# Altium PCB ESIMA_EIS.PcbDoc (part 1 of 3) (continued)
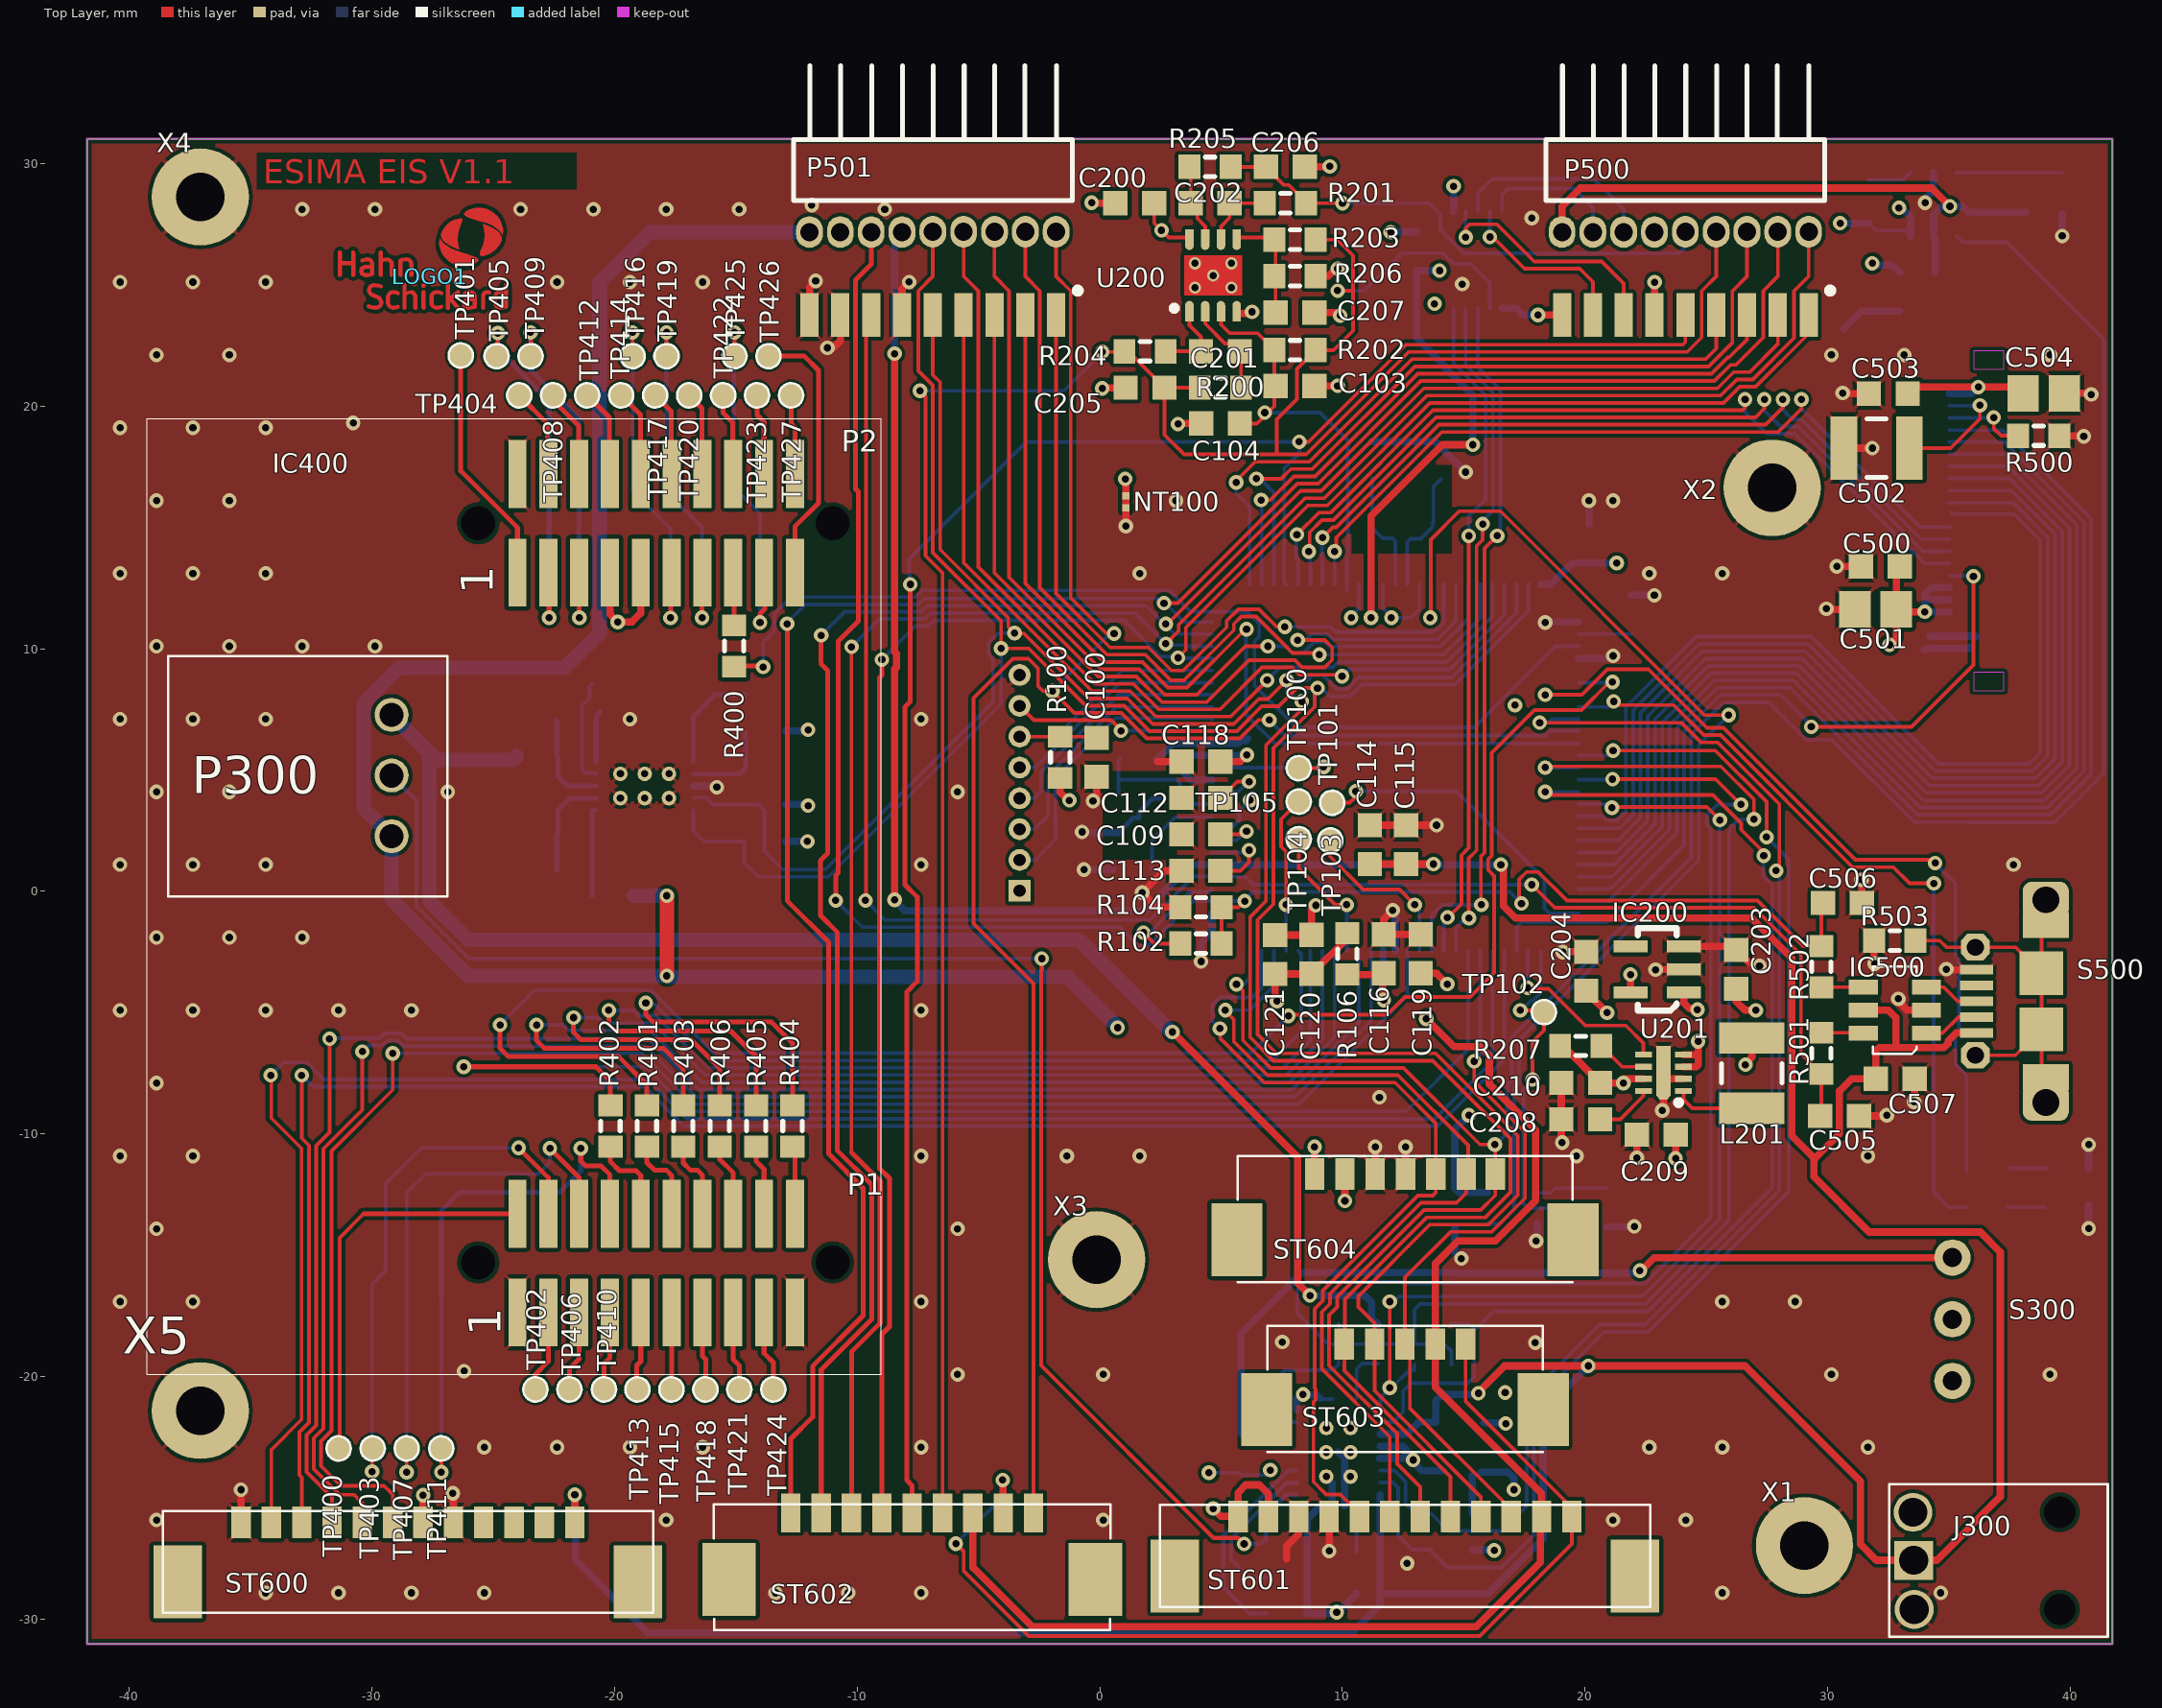
[diagram p0: Top Layer view]
## Footprints (in the part's own frame and the unit in brackets; to place one, negate y for a bottom-side part, rotate by r counter-clockwise, add the part's x,y. Pads: shape width x height; smd on the part's side, far side on the other; paste and mask are expansions set on the pad) (continued)
  Top Layer region: 2.081,0.865 2.082,0.865 2.083,0.864 2.083,0.864 2.105,0.853 2.106,0.853 2.107,0.852 2.107,0.852 2.107,0.852 2.137,0.846 2.137,0.846 2.138,0.846 2.138,0.845 2.138,0.845 2.138,0.845 2.138,0.845 2.138,0.845 2.138,0.845 2.138,0.845 2.137,0.846 2.137,0.846 2.137,0.846 2.137,0.846 2.137,0.846 2.137,0.846 2.137,0.846 2.138,0.845 2.171,0.845 2.171,0.845 2.171,0.845 2.171,0.845 2.171,0.845 2.172,0.845 2.172,0.845 2.172,0.845 2.197,0.847 2.198,0.847 2.198,0.847 2.198,0.847 2.521,0.964 2.782,1.189 2.944,1.493 2.944,1.493 2.944,1.493 2.945,1.494 2.945,1.494 2.945,1.494 2.945,1.495 2.945,1.495 2.945,1.495 2.948,1.597 2.948,1.597 2.948,1.598 2.948,1.598 2.948,1.598 2.948,1.599 2.948,1.6 2.948,1.6 2.914,1.698 2.914,1.699 2.913,1.7 2.913,1.7 2.847,1.792 2.846,1.793 2.846,1.793 2.846,1.793 2.751,1.88 2.751,1.881 2.75,1.881 2.75,1.881 2.75,1.881 2.588,1.987 2.588,1.987 2.588,1.987 2.588,1.987 2.588,1.987 2.587,1.987 2.587,1.987 2.587,1.987 2.588,1.987 2.588,1.987 2.588,1.987 2.588,1.987 2.587,1.987 2.587,1.987 2.587,1.987 2.587,1.987 2.395,2.081 2.395,2.081 2.395,2.081 2.395,2.081 2.395,2.081 2.395,2.081 2.394,2.081 2.394,2.081 2.394,2.081 2.182,2.161 2.179,2.161 2.177,2.16 2.174,2.159 2.173,2.156 2.173,2.153 2.173,2.153 2.235,1.906 2.25,1.686 2.231,1.491 2.191,1.322 2.139,1.172 2.091,1.051 2.091,1.051 2.091,1.051 2.091,1.051 2.091,1.051 2.091,1.051 2.091,1.051 2.09,1.051 2.09,1.051 2.06,0.958 2.06,0.957 2.06,0.957 2.06,0.957 2.06,0.957 2.056,0.929 2.056,0.929 2.056,0.928 2.056,0.928 2.056,0.928 2.056,0.928 2.057,0.904 2.057,0.904 2.057,0.904 2.057,0.904 2.057,0.903 2.058,0.902 2.058,0.902 2.058,0.902 2.058,0.902 2.058,0.902 2.058,0.902 2.065,0.883 2.065,0.883 2.065,0.883 2.065,0.883 2.065,0.883 2.066,0.882 2.066,0.881 2.066,0.881 2.067,0.881 2.067,0.881
  Top Layer region: 2.372,2.178 2.633,2.06 2.861,1.887 2.861,1.887 2.861,1.887 2.947,1.781 2.988,1.695 3,1.885 2.984,2.036 2.984,2.036 2.763,2.491 2.346,2.778 1.841,2.821 1.841,2.821 1.841,2.821 2.245,2.225
  Top Layer region: 1.411,2.538 1.411,2.539 1.41,2.54 1.41,2.54 1.403,2.563 1.403,2.564 1.403,2.565 1.403,2.565 1.405,2.586 1.405,2.587 1.406,2.588 1.406,2.588 1.415,2.609 1.416,2.61 1.416,2.611 1.416,2.611 1.44,2.64 1.44,2.64 1.441,2.641 1.441,2.641 1.441,2.641 1.477,2.671 1.477,2.671 1.477,2.671 1.477,2.671 1.477,2.672 1.478,2.672 1.478,2.672 1.478,2.672 1.624,2.76 1.624,2.76 1.624,2.76 1.624,2.76 1.624,2.76 1.625,2.76 1.626,2.761 1.626,2.761 1.839,2.827 1.842,2.827 1.845,2.826 1.847,2.824 1.848,2.821 1.848,2.821 1.848,2.821 1.848,2.82 1.848,2.82 2.247,2.232 2.25,2.23 2.251,2.228 2.252,2.225 2.252,2.225 2.251,2.222 2.249,2.22 2.246,2.219 2.243,2.219 2.243,2.219 2.066,2.274 2.066,2.274 2.066,2.274 2.066,2.274 1.875,2.332 1.875,2.332 1.875,2.332 1.875,2.332 1.875,2.332 1.714,2.382 1.714,2.382 1.714,2.382 1.714,2.382 1.714,2.382 1.714,2.382 1.714,2.382 1.714,2.382 1.714,2.382 1.585,2.428 1.585,2.429 1.585,2.429 1.585,2.429 1.51,2.461 1.51,2.461 1.509,2.462 1.509,2.462 1.455,2.493 1.454,2.494 1.454,2.494 1.454,2.494 1.428,2.515 1.428,2.516 1.427,2.517 1.427,2.517 1.427,2.517 1.427,2.517 1.427,2.517 1.427,2.517
  Top Layer region: 2.755,-1.075 2.755,-0.865 2.763,-0.806 2.794,-0.757 2.844,-0.725 2.903,-0.718 2.903,-0.718 2.903,-0.718 2.972,-0.729 2.958,-0.585 2.888,-0.576 2.773,-0.595 2.677,-0.66 2.616,-0.759 2.601,-0.874 2.601,-0.874 2.601,-1.066 2.601,-1.066 2.618,-1.185 2.683,-1.285 2.784,-1.348 2.903,-1.364 2.903,-1.364 2.903,-1.364 3.039,-1.351 2.987,-1.216 2.903,-1.223 2.844,-1.215 2.795,-1.183 2.763,-1.134 2.755,-1.075
  Top Layer region: 0.654,-1.287 0.66,-1.32 0.679,-1.347 0.706,-1.365 0.739,-1.37 0.739,-1.37 0.77,-1.364 0.797,-1.347 0.815,-1.32 0.822,-1.289 0.822,-1.289 0.822,-1.288 0.822,-1.287 0.822,-1.287 0.822,-1.287 0.822,-1.287 0.822,-1.287 0.822,-1.287 0.822,-1.033 1.094,-1.341 1.122,-1.363 1.157,-1.37 1.157,-1.37 1.157,-1.37 1.157,-1.37 1.157,-1.37 1.157,-1.37 1.188,-1.365 1.214,-1.347 1.232,-1.321 1.238,-1.29 1.238,-1.29 1.238,-1.289 1.238,-1.289 1.238,-1.289 1.238,-1.289 1.238,-1.288 1.238,-1.288 1.238,-1.288 1.238,-1.288 1.233,-1.259 1.232,-1.257 1.232,-1.256 1.232,-1.256 1.218,-1.234 1.217,-1.234 1.217,-1.233 1.217,-1.233 0.937,-0.93 1.197,-0.712 1.218,-0.685 1.226,-0.651 1.226,-0.651 1.226,-0.651 1.226,-0.651 1.226,-0.651 1.226,-0.651 1.226,-0.651 1.226,-0.65 1.226,-0.65 1.22,-0.619 1.202,-0.593 1.176,-0.575 1.145,-0.57 1.145,-0.57 1.145,-0.57 1.144,-0.57 1.144,-0.57 1.144,-0.57 1.143,-0.57 1.143,-0.57 1.143,-0.57 1.143,-0.57 1.144,-0.57 1.143,-0.57 1.112,-0.577 1.112,-0.577 1.112,-0.577 1.112,-0.577 1.112,-0.577 1.111,-0.577 1.11,-0.578 1.11,-0.578 1.086,-0.593 1.086,-0.593 1.085,-0.594 1.085,-0.594 1.085,-0.594 1.085,-0.594 1.085,-0.594 1.085,-0.594 0.822,-0.824 0.822,-0.363 0.822,-0.362 0.822,-0.361 0.822,-0.361 0.815,-0.329 0.797,-0.303 0.77,-0.286 0.739,-0.28 0.739,-0.28 0.739,-0.28 0.739,-0.28 0.739,-0.28 0.739,-0.28 0.739,-0.28 0.739,-0.28 0.739,-0.28 0.739,-0.28 0.706,-0.285 0.678,-0.303 0.66,-0.331 0.654,-0.363 0.654,-0.363 0.654,-0.363 0.654,-0.363 0.654,-0.363 0.654,-0.363
  Top Layer region: 0.282,-1.223 0.222,-1.212 0.172,-1.177 0.142,-1.124 0.137,-1.063 0.137,-1.063 0.137,-1.063 0.137,-0.877 0.142,-0.816 0.173,-0.764 0.222,-0.729 0.282,-0.718 0.282,-0.718 0.282,-0.718 0.351,-0.726 0.395,-0.739 0.436,-0.757 0.47,-0.763 0.47,-0.763 0.497,-0.758 0.519,-0.743 0.534,-0.72 0.539,-0.693 0.539,-0.693 0.539,-0.693 0.534,-0.667 0.52,-0.645 0.5,-0.629 0.5,-0.629 0.386,-0.587 0.285,-0.576 0.285,-0.576 0.166,-0.594 0.066,-0.658 0.001,-0.758 -0.017,-0.877 -0.017,-0.877 -0.017,-0.877 -0.017,-1.063 0.001,-1.181 0.066,-1.281 0.167,-1.346 0.285,-1.364 0.285,-1.364 0.412,-1.347 0.5,-1.313 0.52,-1.296 0.534,-1.274 0.539,-1.249 0.539,-1.249 0.534,-1.221 0.518,-1.198 0.494,-1.183 0.467,-1.178 0.467,-1.178 0.467,-1.178 0.427,-1.186 0.397,-1.199 0.338,-1.218
  Top Layer region: -0.343,-1.287 -0.337,-1.317 -0.32,-1.342 -0.295,-1.359 -0.265,-1.364 -0.265,-1.364 -0.265,-1.364 -0.235,-1.358 -0.21,-1.342 -0.194,-1.317 -0.189,-1.287 -0.189,-1.287 -0.189,-0.653 -0.189,-0.653 -0.194,-0.623 -0.21,-0.598 -0.235,-0.582 -0.265,-0.576 -0.265,-0.576 -0.295,-0.581 -0.32,-0.598 -0.337,-0.623 -0.343,-0.653 -0.343,-0.653
  Top Layer region: -0.355,-0.376 -0.346,-0.416 -0.321,-0.447 -0.285,-0.465 -0.245,-0.465 -0.209,-0.447 -0.184,-0.416 -0.175,-0.376 -0.175,-0.376 -0.175,-0.376 -0.187,-0.332 -0.22,-0.299 -0.265,-0.287 -0.31,-0.299 -0.343,-0.332 -0.355,-0.376
  Top Layer region: -1.128,-1.287 -1.123,-1.317 -1.106,-1.342 -1.08,-1.359 -1.051,-1.364 -1.051,-1.364 -1.051,-1.364 -1.021,-1.358 -0.996,-1.342 -0.98,-1.317 -0.974,-1.287 -0.974,-1.287 -0.974,-0.771 -0.893,-0.728 -0.825,-0.718 -0.767,-0.726 -0.718,-0.758 -0.687,-0.807 -0.68,-0.865 -0.68,-0.865 -0.68,-1.287 -0.68,-1.287 -0.675,-1.317 -0.658,-1.342 -0.632,-1.359 -0.603,-1.364 -0.603,-1.364 -0.573,-1.358 -0.548,-1.342 -0.532,-1.317 -0.526,-1.287 -0.526,-1.287 -0.526,-0.874 -0.538,-0.759 -0.598,-0.66 -0.693,-0.595 -0.807,-0.576 -0.807,-0.576 -0.807,-0.576 -0.901,-0.591 -0.974,-0.62 -0.974,-0.363 -0.98,-0.333 -0.996,-0.308 -1.021,-0.292 -1.051,-0.287 -1.051,-0.287 -1.051,-0.287 -1.08,-0.292 -1.106,-0.308 -1.123,-0.333 -1.128,-0.363 -1.128,-0.363 -1.128,-0.363
  Top Layer region: -1.508,-1.223 -1.567,-1.212 -1.617,-1.177 -1.647,-1.124 -1.652,-1.063 -1.652,-1.063 -1.652,-0.877 -1.647,-0.816 -1.617,-0.764 -1.567,-0.729 -1.508,-0.718 -1.508,-0.718 -1.508,-0.718 -1.438,-0.726 -1.394,-0.739 -1.353,-0.757 -1.319,-0.763 -1.319,-0.763 -1.293,-0.758 -1.27,-0.743 -1.255,-0.72 -1.251,-0.693 -1.251,-0.693 -1.256,-0.667 -1.269,-0.645 -1.29,-0.629 -1.29,-0.629 -1.29,-0.629 -1.404,-0.587 -1.505,-0.576 -1.505,-0.576 -1.623,-0.594 -1.723,-0.658 -1.788,-0.758 -1.806,-0.877 -1.806,-0.877 -1.806,-1.063 -1.806,-1.063 -1.788,-1.181 -1.723,-1.281 -1.623,-1.346 -1.505,-1.364 -1.505,-1.364 -1.377,-1.347 -1.29,-1.313 -1.269,-1.296 -1.256,-1.274 -1.251,-1.249 -1.251,-1.249 -1.256,-1.221 -1.271,-1.198 -1.295,-1.183 -1.322,-1.178 -1.322,-1.178 -1.322,-1.178 -1.362,-1.186 -1.393,-1.199 -1.451,-1.218
  Top Layer region: -2.547,-1.305 -2.401,-1.352 -2.269,-1.364 -2.269,-1.364 -2.144,-1.352 -2.035,-1.292 -1.958,-1.193 -1.929,-1.071 -1.929,-1.071 -1.956,-0.948 -2.03,-0.847 -2.138,-0.784 -2.138,-0.784 -2.313,-0.703 -2.313,-0.703 -2.374,-0.675 -2.418,-0.624 -2.437,-0.559 -2.437,-0.559 -2.437,-0.559 -2.407,-0.489 -2.346,-0.443 -2.271,-0.433 -2.271,-0.433 -2.271,-0.433 -2.168,-0.443 -2.092,-0.467 -2.054,-0.481 -2.026,-0.485 -2.026,-0.485 -1.999,-0.48 -1.976,-0.464 -1.962,-0.441 -1.957,-0.414 -1.957,-0.414 -1.957,-0.414 -1.962,-0.384 -1.978,-0.359 -2.002,-0.342 -2.002,-0.342 -2.002,-0.342 -2.136,-0.298 -2.262,-0.287 -2.382,-0.296 -2.488,-0.353 -2.563,-0.448 -2.593,-0.565 -2.593,-0.565 -2.593,-0.565 -2.569,-0.676 -2.502,-0.77 -2.405,-0.83 -2.405,-0.83 -2.223,-0.915 -2.223,-0.915 -2.156,-0.947 -2.108,-1.004 -2.087,-1.075 -2.087,-1.075 -2.087,-1.075 -2.105,-1.137 -2.147,-1.186 -2.205,-1.215 -2.269,-1.217 -2.269,-1.217 -2.269,-1.217 -2.383,-1.203 -2.456,-1.177 -2.498,-1.162 -2.523,-1.159 -2.552,-1.164 -2.575,-1.181 -2.591,-1.205 -2.595,-1.234 -2.595,-1.234 -2.595,-1.234 -2.589,-1.263 -2.573,-1.289 -2.547,-1.305
  Top Layer region: -1.292,0.062 -1.292,0.646 -1.292,0.646 -1.284,0.685 -1.26,0.716 -1.225,0.734 -1.225,0.734 -1.225,0.734 -1.126,0.76 -0.992,0.773 -0.874,0.76 -0.772,0.697 -0.707,0.597 -0.691,0.479 -0.691,0.479 -0.691,0.062 -0.696,0.033 -0.712,0.008 -0.737,-0.009 -0.767,-0.014 -0.767,-0.014 -0.797,-0.009 -0.822,0.007 -0.839,0.033 -0.844,0.062 -0.844,0.062 -0.844,0.062 -0.844,0.485 -0.844,0.485 -0.852,0.543 -0.884,0.593 -0.934,0.624 -0.992,0.631 -0.992,0.631 -0.992,0.631 -1.058,0.627 -1.139,0.61 -1.139,0.062 -1.139,0.062 -1.144,0.033 -1.16,0.008 -1.185,-0.009 -1.215,-0.014 -1.215,-0.014 -1.245,-0.009 -1.27,0.007 -1.287,0.033 -1.292,0.062
  Top Layer region: -2.102,0.062 -2.096,0.033 -2.08,0.007 -2.054,-0.009 -2.024,-0.014 -2.024,-0.014 -2.024,-0.014 -1.995,-0.009 -1.97,0.008 -1.953,0.033 -1.948,0.062 -1.948,0.062 -1.948,0.062 -1.948,0.579 -1.867,0.622 -1.799,0.631 -1.741,0.624 -1.692,0.592 -1.661,0.543 -1.654,0.485 -1.654,0.485 -1.654,0.062 -1.648,0.033 -1.632,0.007 -1.606,-0.009 -1.576,-0.014 -1.576,-0.014 -1.547,-0.009 -1.522,0.008 -1.505,0.033 -1.5,0.062 -1.5,0.062 -1.5,0.062 -1.5,0.476 -1.5,0.476 -1.512,0.591 -1.571,0.69 -1.667,0.755 -1.781,0.773 -1.781,0.773 -1.875,0.759 -1.948,0.73 -1.948,0.987 -1.953,1.016 -1.97,1.041 -1.995,1.058 -2.024,1.063 -2.024,1.063 -2.054,1.058 -2.08,1.042 -2.096,1.017 -2.102,0.987 -2.102,0.987 -2.102,0.987
  Top Layer region: -3.796,0.064 -3.79,0.034 -3.772,0.008 -3.747,-0.009 -3.716,-0.014 -3.716,-0.014 -3.716,-0.014 -3.687,-0.008 -3.661,0.008 -3.644,0.034 -3.639,0.064 -3.639,0.064 -3.639,0.47 -3.244,0.47 -3.244,0.064 -3.239,0.034 -3.221,0.008 -3.196,-0.009 -3.165,-0.014 -3.165,-0.014 -3.135,-0.008 -3.11,0.009 -3.093,0.034 -3.088,0.064 -3.088,0.064 -3.088,0.987 -3.088,0.987 -3.094,1.016 -3.11,1.041 -3.136,1.058 -3.165,1.063 -3.165,1.063 -3.195,1.058 -3.221,1.042 -3.238,1.017 -3.244,0.987 -3.244,0.987 -3.244,0.621 -3.639,0.621 -3.639,0.987 -3.639,0.987 -3.645,1.016 -3.662,1.041 -3.687,1.058 -3.716,1.063 -3.716,1.063 -3.746,1.058 -3.772,1.042 -3.789,1.017 -3.796,0.987 -3.796,0.987
  Top Layer region: -2.792,0.582 -2.754,0.59 -2.723,0.604 -2.654,0.627 -2.592,0.631 -2.592,0.631 -2.545,0.629 -2.503,0.608 -2.473,0.572 -2.46,0.527 -2.46,0.527 -2.46,0.527 -2.46,0.467 -2.596,0.467 -2.601,0.325 -2.46,0.325 -2.46,0.144 -2.52,0.132 -2.598,0.127 -2.596,-0.014 -2.458,-0.001 -2.366,0.022 -2.366,0.022 -2.335,0.04 -2.314,0.07 -2.307,0.106 -2.307,0.106 -2.307,0.106 -2.307,0.528 -2.333,0.631 -2.398,0.715 -2.492,0.765 -2.598,0.773 -2.598,0.773 -2.717,0.759 -2.828,0.715 -2.828,0.715 -2.828,0.715 -2.854,0.689 -2.864,0.654 -2.864,0.654 -2.864,0.654 -2.854,0.618 -2.828,0.592 -2.792,0.582
  Top Layer region: -2.915,0.228 -2.915,0.228 -2.915,0.229 -2.915,0.229 -2.906,0.298 -2.906,0.299 -2.906,0.3 -2.906,0.3 -2.881,0.357 -2.88,0.357 -2.88,0.358 -2.88,0.358 -2.88,0.358 -2.841,0.402 -2.841,0.402 -2.84,0.403 -2.839,0.404 -2.839,0.404 -2.839,0.404 -2.733,0.457 -2.733,0.457 -2.732,0.457 -2.731,0.457 -2.731,0.457 -2.731,0.457 -2.597,0.474 -2.594,0.473 -2.592,0.472 -2.59,0.47 -2.59,0.467 -2.59,0.467 -2.59,0.465 -2.591,0.463 -2.591,0.463 -2.595,0.329 -2.594,0.327 -2.594,0.325 -2.594,0.325 -2.595,0.322 -2.597,0.319 -2.6,0.318 -2.6,0.318 -2.662,0.314 -2.709,0.298 -2.726,0.285 -2.738,0.27 -2.745,0.25 -2.748,0.225 -2.745,0.2 -2.738,0.18 -2.725,0.164 -2.709,0.152 -2.661,0.137 -2.597,0.133 -2.594,0.132 -2.592,0.13 -2.591,0.127 -2.591,0.127 -2.591,0.124 -2.592,0.123 -2.592,0.123 -2.591,-0.01 -2.59,-0.012 -2.59,-0.014 -2.59,-0.014 -2.59,-0.017 -2.592,-0.019 -2.595,-0.02 -2.595,-0.02 -2.709,-0.019 -2.812,0.03 -2.885,0.118 -2.915,0.228
  Top Layer region: 1.439,-0.768 1.477,-0.759 1.508,-0.745 1.577,-0.723 1.64,-0.718 1.687,-0.721 1.729,-0.742 1.758,-0.778 1.771,-0.823 1.771,-0.823 1.771,-0.883 1.635,-0.883 1.63,-1.024 1.771,-1.024 1.771,-1.205 1.711,-1.218 1.633,-1.223 1.635,-1.364 1.773,-1.351 1.865,-1.328 1.896,-1.309 1.917,-1.28 1.925,-1.244 1.925,-1.244 1.925,-0.821 1.898,-0.719 1.833,-0.635 1.739,-0.585 1.633,-0.576 1.633,-0.576 1.515,-0.591 1.403,-0.635 1.403,-0.635 1.377,-0.661 1.367,-0.696 1.367,-0.696 1.377,-0.732 1.403,-0.758 1.439,-0.768
  Top Layer region: 1.316,-1.122 1.316,-1.121 1.316,-1.121 1.316,-1.121 1.325,-1.051 1.325,-1.05 1.325,-1.049 1.325,-1.049 1.325,-1.049 1.35,-0.993 1.35,-0.993 1.351,-0.992 1.351,-0.991 1.351,-0.991 1.351,-0.991 1.351,-0.991 1.351,-0.991 1.39,-0.947 1.39,-0.947 1.39,-0.947 1.39,-0.947 1.391,-0.946 1.392,-0.946 1.392,-0.946 1.392,-0.946 1.498,-0.893 1.498,-0.893 1.498,-0.893 1.498,-0.893 1.499,-0.893 1.5,-0.892 1.5,-0.892 1.5,-0.892 1.634,-0.876 1.637,-0.876 1.639,-0.878 1.641,-0.88 1.642,-0.883 1.642,-0.883 1.641,-0.885 1.64,-0.887 1.64,-0.887 1.636,-1.021 1.637,-1.022 1.637,-1.024 1.637,-1.024 1.636,-1.028 1.634,-1.03 1.631,-1.031 1.631,-1.031 1.569,-1.036 1.522,-1.052 1.506,-1.064 1.493,-1.08 1.486,-1.1 1.483,-1.125 1.486,-1.15 1.494,-1.17 1.506,-1.186 1.522,-1.197 1.57,-1.212 1.634,-1.216 1.637,-1.217 1.639,-1.22 1.64,-1.223 1.64,-1.223 1.64,-1.225 1.639,-1.227 1.639,-1.227 1.64,-1.359 1.641,-1.361 1.642,-1.364 1.642,-1.364 1.641,-1.366 1.639,-1.369 1.636,-1.37 1.636,-1.37 1.636,-1.37 1.522,-1.368 1.419,-1.319 1.346,-1.232 1.316,-1.122
  Top Layer region: 2.114,-1.287 2.12,-1.317 2.137,-1.342 2.162,-1.359 2.192,-1.364 2.192,-1.364 2.192,-1.364 2.221,-1.358 2.246,-1.342 2.263,-1.317 2.268,-1.287 2.268,-1.287 2.268,-1.287 2.268,-0.806 2.272,-0.774 2.29,-0.746 2.316,-0.727 2.349,-0.721 2.349,-0.721 2.349,-0.721 2.404,-0.727 2.438,-0.73 2.466,-0.726 2.49,-0.711 2.506,-0.688 2.511,-0.66 2.511,-0.66 2.511,-0.66 2.504,-0.626 2.482,-0.6 2.45,-0.587 2.45,-0.587 2.393,-0.579 2.338,-0.576 2.338,-0.576 2.25,-0.59 2.176,-0.639 2.128,-0.714 2.114,-0.802 2.114,-0.802
  Top Layer region: 3.039,-1.351 2.987,-1.216 3.051,-1.202 3.051,-0.769 2.972,-0.729 2.958,-0.585 3.051,-0.62 3.051,-0.363 3.056,-0.333 3.072,-0.308 3.097,-0.292 3.127,-0.287 3.127,-0.287 3.127,-0.287 3.157,-0.292 3.182,-0.308 3.199,-0.333 3.204,-0.363 3.204,-0.363 3.204,-0.363 3.204,-1.237 3.196,-1.274 3.174,-1.305 3.14,-1.325 3.14,-1.325 3.14,-1.325
Hole_2mm#1 [mm] "Durchkontaktierung d=2mm"
  round 4 hole 2: 1(0,0)
Hole_2mm#2 [mm] "Durchkontaktierung d=2mm"
  round 4 hole 2: 1(1.456,0.402)
INDC3225N [mm] "Chip Inductor, Body 3.2x2.5mm, IPC Medium Density"
  rect 1.3x2.7 smd: 1(-1.45,0) 2(1.45,0)
  silkscreen extent -0.4,-1.25 0.4,1.25, body extent -1.7,-1.35 1.7,1.35, height 1.5
"JMP 8x1.27" [mm]
  rect 0.9x0.9 hole 0.5: 1(0,0)
  round 0.9 hole 0.5: 2(1.27,0) 3(2.54,0) 4(3.81,0) 5(5.08,0) 6(6.35,0) 7(7.62,0) 8(8.89,0)
LED-Gelb [mm] "0603 LED gelb"
  rect 1.1x1 smd: 1(0.85,0) 2(-0.85,0)
  silkscreen extent -1.7,-0.4 0.1,0.4, body extent -1,-0.4 1,0.4, height 0.25
LED-gruen [mm] "0603 LED gruen"
  rect 1.1x1 smd: 1(0.85,0) 2(-0.85,0)
  silkscreen extent -1.7,-0.4 0.1,0.4, body extent -1,-0.4 1,0.4, height 0.25
"MICRO USB AB REC" [mm] "MOLEX-47589, MICRO USB AB, bottom mount"
  rect 1.35x0.4 smd: 1(2.855,1.3) 2(2.855,0.65) 3(2.855,0) 4(2.855,-0.65) 5(2.855,-1.3)
  rect 1.8x1.8 smd: GND1(0.18,1.15) GND2(0.18,-1.15)
  rrect50% 1.9x1.5 hole 1.1: GND3(0,4.175) GND4(0,-4.175)
  rect 1.9x1.075 smd: GND3(0,3.137) GND4(0,-3.137)
  oct 1.2x1.1 hole 0.7: GND5(2.9,2.225) GND6(2.9,-2.225)
  body extent -2.77,-4.3 3.02,4.35, height 2.76
"Molex 532610971" [mm] "Molex Stecker 9 Pin 90°"
  rect 0.8x1.6 smd: 1(5,-1.375) 2(3.75,-1.375) 3(2.5,-1.375) 4(1.25,-1.375) 5(0,-1.375) 6(-1.25,-1.375) 7(-2.5,-1.375) 8(-3.75,-1.375) 9(-5,-1.375)
  rect 2.2x3 smd: 11(-7.55,1.375) 11(7.55,1.375)
  silkscreen extent -8.17,-1.72 8.18,3.45, body extent -8.22,-1.77 8.23,3.5, height 3.4
"Molex 533980571" [mm] "MOLEX - 53398-0571 - STIFTLEISTE, SMT, 1.25MM, 5POL"
  rect 0.8x1.3 smd: 1(2.5,-1.35) 2(1.25,-1.35) 3(0,-1.35) 4(-1.25,-1.35) 5(-2.5,-1.35)
  rect 2.1x3 smd: 6(5.7,1.35) 7(-5.7,1.35)
  silkscreen extent -5.68,-2.1 5.68,3.1, body extent -5.7,-1.45 5.7,2.75, height 4.7
"Molex 533980771" [mm] "MOLEX - 53398-0771 - STIFTLEISTE, SMT, 1.25MM, 7POL"
  rect 0.8x1.3 smd: 1(3.725,-1.35) 2(2.475,-1.35) 3(1.225,-1.35) 4(-0.025,-1.35) 5(-1.275,-1.35) 6(-2.525,-1.35) 7(-3.725,-1.35)
  rect 2.1x3 smd: 8(6.925,1.35) 9(-6.925,1.35)
  silkscreen extent -6.9,-2.1 6.9,3.1, body extent -6.95,-1.75 6.95,2.45, height 4.7
"Molex 533981271" [mm] "Molex Pico 12Pol Blade SMD gerade 533980871"
  rect 0.8x1.3 smd: 1(6.875,-1.225) 2(5.625,-1.225) 3(4.375,-1.225) 4(3.125,-1.225) 5(1.875,-1.225) 6(0.625,-1.225) 7(-0.625,-1.225) 8(-1.875,-1.225) 9(-3.125,-1.225) 10(-4.375,-1.225) 11(-5.625,-1.225) 12(-6.875,-1.225)
  rect 2x3 smd: 13(9.475,1.225) 14(-9.475,1.225)
  silkscreen extent -10.1,-1.7 10.1,2.5, body extent -10.07,-1.59 10.08,2.61, height 4.7
Molex-52435-2471 [mm] "ZIF 24x0.5mm Kontakte oben"
  rect 0.3x0.8 smd: 1(-5.75,0) 2(-5.25,0) 3(-4.75,0) 4(-4.25,0) 5(-3.75,0) 6(-3.25,0) 7(-2.75,0) 8(-2.25,0) 9(-1.75,0) 10(-1.25,0) 11(-0.75,0) 12(-0.25,0) 13(0.25,0) 14(0.75,0) 15(1.25,0) 16(1.75,0) 17(2.25,0) 18(2.75,0) 19(3.25,0) 20(3.75,0) 21(4.25,0) 22(4.75,0) 23(5.25,0) 24(5.75,0)
  rect 1.3x3.05 smd: H1(-7.65,-1.925) H1(7.65,-1.925)
  rect 1.1x2.2 smd: H2(-8.85,-1.5) H2(8.85,-1.5)
  Keep-Out Layer region: -7,-1 -6.25,-1 -6.25,-2.25 -7,-2.25
  Keep-Out Layer region: 6.25,-1 7,-1 7,-2.25 6.25,-2.25
  silkscreen extent -6.5,-5.25 -6,-4.75, body extent -9.3,-6.4 9.3,0.2, height 2.05
MSOP-DGS [mm] "DAC 124S085CIMM"
  oval 1x0.27 smd mask+0.025: 1(-2,1) 2(-2,0.5) 3(-2,0) 4(-2,-0.5) 5(-2,-1) 6(2,-1) 7(2,-0.5) 8(2,0) 9(2,0.5) 10(2,1)
  silkscreen extent -1.1,-1.55 1.1,1.55, body extent -1.55,-1.55 1.55,1.55, height 1.1
NetTie [mm] "Kleiner Net-Tie um netze zu verbinden"
  rect 0.3x0.3 smd paste-0.2 mask-0.2: 1(-0.25,0) 2(0.25,0)
  Top Layer lines w0.3: -0.25,0 0.25,0
"Quarz 4 Pin 2.5mm*2mm" [mm] "Quarz 4 Pin 2.5mm*2mm"
  rect 1.2x1.1 smd: 1(-0.85,-0.7) 2(0.85,-0.7) 3(0.85,0.7) 4(-0.85,0.7)
  silkscreen extent -1.62,-1.55 1.35,1.1, body extent -1.25,-1 1.25,1, height 0.55
R-PVQFN50P450X350X100-20N [mm] "R-PVQFN-N20, 20-Leads, Body 3,7x4,7mm (max), Pitch 0,50mm, IPC Medium Density"
  oval 0.85x0.28 smd mask+0.02: 1(-2.225,-0.75) 10(2.225,-0.75) 11(2.225,0.75) 20(-2.225,0.75)
  oval 0.28x0.85 smd mask+0.02: 2(-1.75,-1.725) 3(-1.25,-1.725) 4(-0.75,-1.725) 5(-0.25,-1.725) 6(0.25,-1.725) 7(0.75,-1.725) 8(1.25,-1.725) 9(1.75,-1.725) 12(1.75,1.725) 13(1.25,1.725) 14(0.75,1.725) 15(0.25,1.725) 16(-0.25,1.725) 17(-0.75,1.725) 18(-1.25,1.725) 19(-1.75,1.725)
  rect 0.9x0.23 smd mask+0.02: 21(-2.2,-0.25) 21(-2.2,0.25) 21(2.2,-0.25) 21(2.2,0.25)
  rect 0.4x0.73 smd paste-1 mask+0.02: 21(-1.725,0) 21(1.725,0)
  round 0.6 hole 0.3 paste-1 mask+0.02: 21(-1,-0.5) 21(-1,0.5) 21(0,-0.5) 21(0,0.5) 21(1,-0.5) 21(1,0.5)
  rect 3.05x2.05 smd paste-3 mask+0.02: 21(0,0)
  silkscreen extent -2.77,-1.85 2.58,1.85, body extent -2.32,-1.83 2.33,1.83, height 1
RESC1608N [mm] "Chip Resistor, Body 1.6x0.8mm, IPC Medium Density"
  rect 0.9x1 smd: 1(-0.85,0) 2(0.85,0)
  silkscreen extent -0.2,-0.4 0.2,0.4, body extent -0.85,-0.48 0.85,0.48, height 0.6
RESC2012N [mm] "Chip Resistor, Body 2.0x1.3mm, IPC Medium Density"
  rect 1.2x1.4 smd: 1(-0.9,0) 2(0.9,0)
  silkscreen extent 0,-0.6 0,0.6, body extent -1.07,-0.7 1.07,0.7, height 0.65
RESC3216N [mm] "Chip Resistor, Body 3.2x1.6mm, IPC Medium Density"
  rect 1.3x1.8 smd: 1(-1.45,0) 2(1.45,0)
  silkscreen extent -0.4,-0.8 0.4,0.8, body extent -1.68,-0.87 1.68,0.87, height 0.71
S3B-XH-A [mm] "Akku Connector, JST, 3 Pin"
  round 1.4 hole 1: 1(-2.5,0) 2(0,0) 3(2.5,0)
  silkscreen extent -4.92,-9.2 4.98,2.3, body extent -4.92,-11.57 4.98,2.3, height 6.15
SMD_PAD [mm]
  round 0.8 smd paste-5: 1(0,0)
SOT23-6 [mm] "TI-DBV (R-PDSO-G6) (SOT23-6)"
  rect 1.2x0.6 smd: 1(-1.3,0.95) 2(-1.3,0) 3(-1.3,-0.95) 4(1.3,-0.95) 5(1.3,0) 6(1.3,0.95)
  silkscreen extent -0.9,-1.8 0.9,1.8, body extent -0.92,-1.82 0.92,1.82, height 1.45
"Testpoint 1mm" [mm] "Testpoint 1mm"
  round 1 smd paste-1: 1(0,0)
  silkscreen extent -0.5,-0.5 0.5,0.5
"TI DRB (S-PVON-N8)" [mm] "TI DRB; 8 Pin; OPA2333"
  rect 0.35x0.675 smd paste-0.025 mask+0.07: 1(-0.975,-1.562) 2(-0.325,-1.562) 3(0.325,-1.562) 4(0.975,-1.562) 5(0.975,1.562) 6(0.325,1.562) 7(-0.325,1.562) 8(-0.975,1.562)
  round 0.35 smd paste-0.025 mask+0.07: 1(-0.975,-1.225) 2(-0.325,-1.225) 3(0.325,-1.225) 4(0.975,-1.225) 5(0.975,1.225) 6(0.325,1.225) 7(-0.325,1.225) 8(-0.975,1.225)
  round 0.5 hole 0.3: 9(0,0)
  Top Layer region: -1.2,-0.825 1.2,-0.825 1.2,0.825 -1.2,0.825
  silkscreen extent -1.7,-1.45 -1.5,-1.25, body extent -1.57,-1.57 1.57,1.57, height 1.01
"TI-DBV5 (SOT23-5)" [mm] "DBV (R-PDSO-G5)"
  rect 1.4x0.5 smd: 1(-1.1,0.95) 2(-1.1,0) 3(-1.1,-0.95) 4(1.1,-0.95) 5(1.1,0.95)
  silkscreen extent -0.8,-1.7 0.8,1.7, body extent -0.92,-1.82 0.92,1.82, height 1.45
TI-DRK-PVSON [mm] "RI DRK, 10+1-Leads, Body 4.15x3.15mm, Pitch 0.5mm"
  rect 0.28x0.71 smd: 1(1,2) 2(0.5,2) 3(0,2) 4(-0.5,2) 5(-1,2) 6(-1,-2) 7(-0.5,-2) 8(0,-2) 9(0.5,-2) 10(1,-2)
  round 0.28 smd: 1(1,1.65) 2(0.5,1.65) 3(0,1.65) 4(-0.5,1.65) 5(-1,1.65) 6(-1,-1.65) 7(-0.5,-1.65) 8(0,-1.65) 9(0.5,-1.65) 10(1,-1.65)
  rect 0.9x0.25 smd: 11(-1.475,-1.2) 11(-1.475,-0.435) 11(-1.475,0.435) 11(-1.475,1.2) 11(1.475,-1.2) 11(1.475,-0.435) 11(1.475,0.435) 11(1.475,1.2)
  round 0.6 hole 0.3: 11(-0.5,1) 11(-0.5,0) 11(-0.5,-1) 11(0.5,1) 11(0.5,0) 11(0.5,-1)
  rect 2.05x2.65 smd: 11(0,0)
  silkscreen extent 1.48,2.3 1.52,2.35, body extent -1.6,-2.1 1.6,2.1, height 1
TI-PZ100_N [mm] "QFP, 100-Leads, Body 14x14mm, Pitch 0.5mm, IPC Medium Density"
  oval 1.8x0.3 smd: 1(-7.55,6) 2(-7.55,5.5) 3(-7.55,5) 4(-7.55,4.5) 5(-7.55,4) 6(-7.55,3.5) 7(-7.55,3) 8(-7.55,2.5) 9(-7.55,2) 10(-7.55,1.5) 11(-7.55,1) 12(-7.55,0.5) 13(-7.55,0) 14(-7.55,-0.5) 15(-7.55,-1) 16(-7.55,-1.5) 17(-7.55,-2) 18(-7.55,-2.5) 19(-7.55,-3) 20(-7.55,-3.5) 21(-7.55,-4) 22(-7.55,-4.5) 23(-7.55,-5) 24(-7.55,-5.5) 25(-7.55,-6) 51(7.55,-6) 52(7.55,-5.5) 53(7.55,-5) 54(7.55,-4.5) 55(7.55,-4) 56(7.55,-3.5) 57(7.55,-3) 58(7.55,-2.5) 59(7.55,-2) 60(7.55,-1.5) 61(7.55,-1) 62(7.55,-0.5) 63(7.55,0) 64(7.55,0.5) 65(7.55,1) 66(7.55,1.5) 67(7.55,2) 68(7.55,2.5) 69(7.55,3) 70(7.55,3.5) 71(7.55,4) 72(7.55,4.5) 73(7.55,5) 74(7.55,5.5) 75(7.55,6)
  oval 0.3x1.8 smd: 26(-6,-7.55) 27(-5.5,-7.55) 28(-5,-7.55) 29(-4.5,-7.55) 30(-4,-7.55) 31(-3.5,-7.55) 32(-3,-7.55) 33(-2.5,-7.55) 34(-2,-7.55) 35(-1.5,-7.55) 36(-1,-7.55) 37(-0.5,-7.55) 38(0,-7.55) 39(0.5,-7.55) 40(1,-7.55) 41(1.5,-7.55) 42(2,-7.55) 43(2.5,-7.55) 44(3,-7.55) 45(3.5,-7.55) 46(4,-7.55) 47(4.5,-7.55) 48(5,-7.55) 49(5.5,-7.55) 50(6,-7.55) 76(6,7.55) 77(5.5,7.55) 78(5,7.55) 79(4.5,7.55) 80(4,7.55) 81(3.5,7.55) 82(3,7.55) 83(2.5,7.55) 84(2,7.55) 85(1.5,7.55) 86(1,7.55) 87(0.5,7.55) 88(0,7.55) 89(-0.5,7.55) 90(-1,7.55) 91(-1.5,7.55) 92(-2,7.55) 93(-2.5,7.55) 94(-3,7.55) 95(-3.5,7.55) 96(-4,7.55) 97(-4.5,7.55) 98(-5,7.55) 99(-5.5,7.55) 100(-6,7.55)
  silkscreen extent -7.67,-6.25 6.25,6.82, body extent -7,-7 7,7, height 1.6
"TSOT23 - 6" [mm] "Spannung Wandler LTC3459ES6"
  rect 1.22x0.62 smd mask+0.05: 1(-1.31,0.95) 2(-1.31,0) 3(-1.31,-0.95) 4(1.31,-0.95) 5(1.31,0) 6(1.31,0.95)
  silkscreen extent -1.43,-1.45 0.3,1.93, body extent -0.87,-1.45 0.87,1.45, height 1
WE_694102304002 [mm] "Connector WE 694102304002, Body 6,3 x 5 x 9"
  round 0 hole 1.3 unplated: 0(-2,-6) 0(2,-6)
  rect 1.6x1.6 hole 1.2: 1(0.025,0.025)
  round 1.6 hole 1.2: 2(-2,0) 3(2,0.05)
  silkscreen extent -3.13,-7.98 3.15,1.02, body extent -3.15,-7.97 3.15,1.03, height 5